# Altium PCB PlacaBase_agus.PcbDoc (part 1 of 2)
Units mm, origin at the board's own origin, x right, y up, seen from the top; angles counter-clockwise.
Board outline 97 x 84 mm, 2 copper layers (Top Layer, Bottom Layer); 60 components, 90 nets, 320 pads, 136 vias.
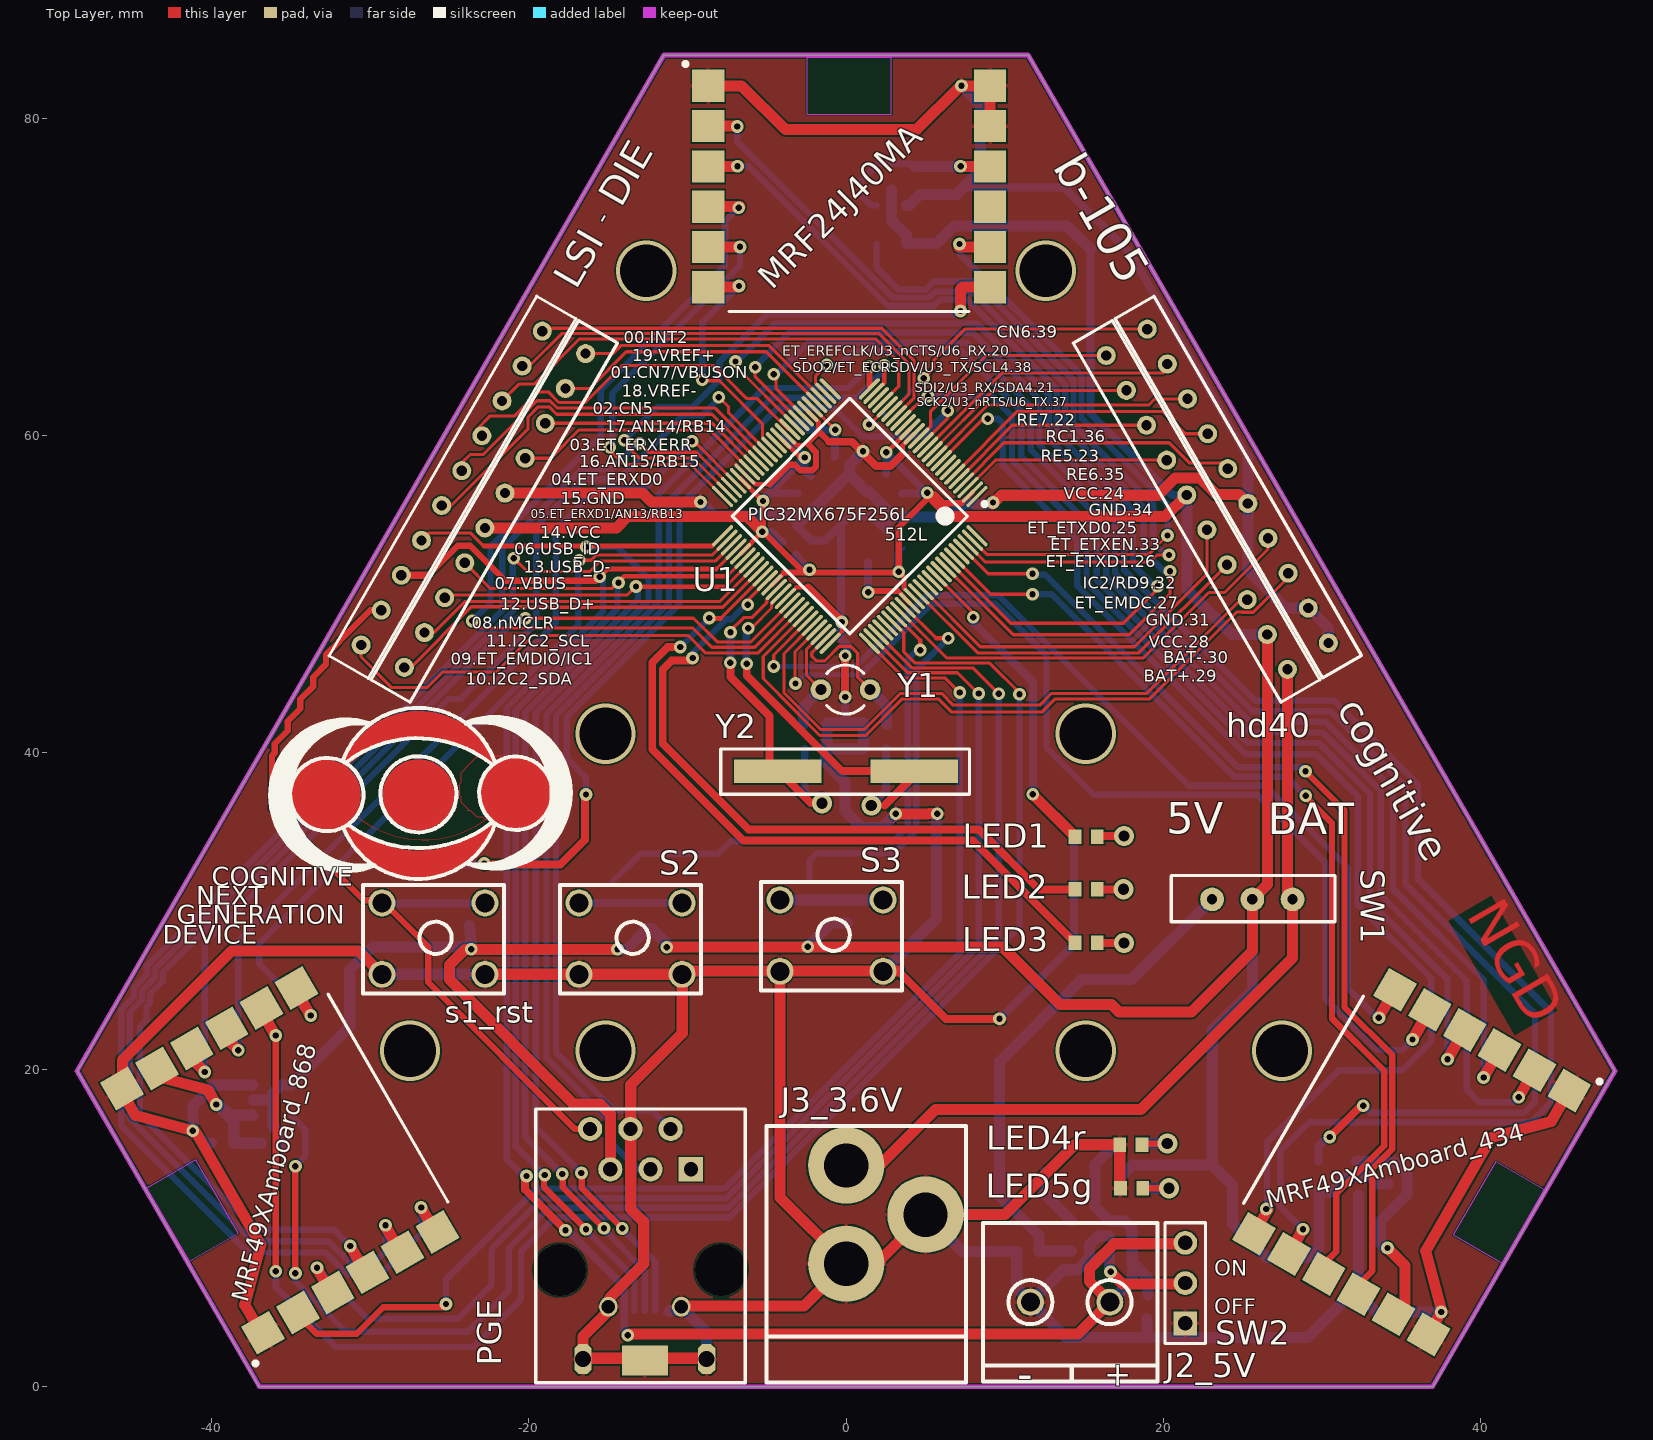
[diagram p0: Top Layer view]
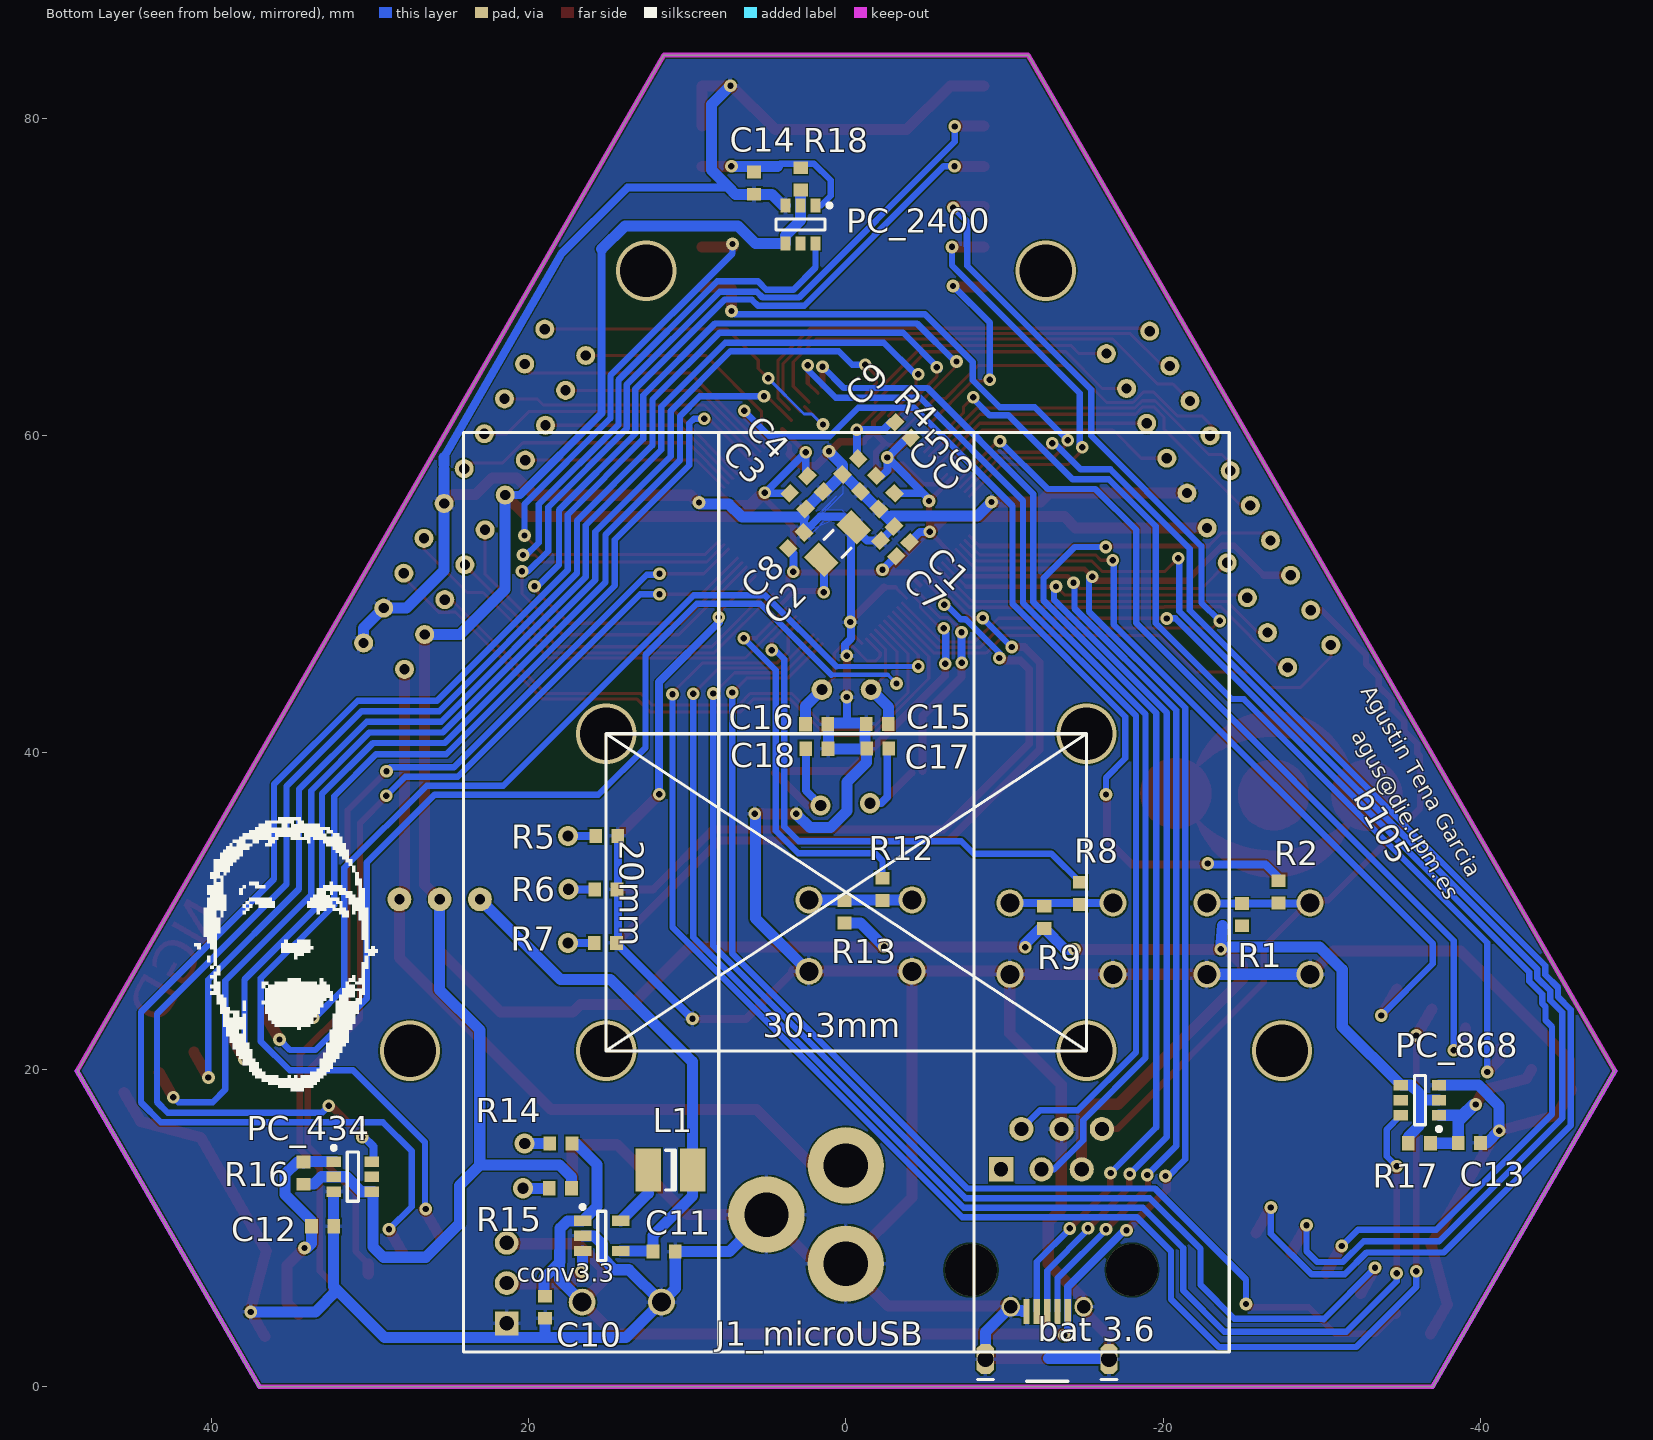
[diagram p1: Bottom Layer view, seen from below]

## Layer stack, top to bottom
Top Layer: signal copper 0.0356
Dielectric: dielectric 0.32, FR-4, Dk 4.8
Bottom Layer: signal copper 0.0356

## Board outline
-37,0 -48.5,19.92 -11.5,84 11.5,84 48.5,19.92 37,0

## Design rules (kind name [scope] priority, off if disabled: settings)
Clearance pic_clearance [InComponent('U1')] p1: gap=0.1
Clearance [All] p2: gap=0.1
Height [All] p1: minheight=0 maxheight=100 prefheight=12.7
PolygonConnect [All] p1: connectstyle=Relief reliefconductorwidth=0.254 reliefentries=4 polygonreliefangle="90 Angle"
RoomDefinition TRANS_2400 [InComponentClass('TRANS_2400')] p1 off: confinementstyle=ConfineIn formatcopy=TRUE lockcomponents=FALSE outline -169.76,-158.09 -118.96,-158.09 -118.96,-132.69 -169.76,-132.69
RoomDefinition TRANS_868 [InComponentClass('TRANS_868')] p2 off: confinementstyle=ConfineIn formatcopy=TRUE lockcomponents=FALSE outline -169.76,-158.09 -118.96,-158.09 -118.96,-132.69 -169.76,-132.69
RoomDefinition TRANS_434 [InComponentClass('TRANS_434')] p3 off: confinementstyle=ConfineIn formatcopy=TRUE lockcomponents=FALSE outline -169.76,-158.09 -118.96,-158.09 -118.96,-132.69 -169.76,-132.69
RoomDefinition "POWER SUPPLY" [InComponentClass('POWER SUPPLY')] p4 off: confinementstyle=ConfineIn formatcopy=TRUE lockcomponents=FALSE outline -169.76,-158.09 -118.96,-158.09 -118.96,-132.69 -169.76,-132.69
RoomDefinition PGE [InComponentClass('PGE')] p5 off: confinementstyle=ConfineIn formatcopy=TRUE lockcomponents=FALSE outline -169.76,-158.09 -118.96,-158.09 -118.96,-132.69 -169.76,-132.69
RoomDefinition OSCILLATORS [InComponentClass('OSCILLATORS')] p6 off: confinementstyle=ConfineIn formatcopy=TRUE lockcomponents=FALSE outline -169.76,-158.09 -118.96,-158.09 -118.96,-132.69 -169.76,-132.69
RoomDefinition MCU [InComponentClass('MCU')] p7 off: confinementstyle=ConfineIn formatcopy=TRUE lockcomponents=FALSE outline -169.76,-158.09 -118.96,-158.09 -118.96,-132.69 -169.76,-132.69
RoomDefinition HEADERS [InComponentClass('HEADERS')] p8 off: confinementstyle=ConfineIn formatcopy=TRUE lockcomponents=FALSE outline -169.76,-158.09 -118.96,-158.09 -118.96,-132.69 -169.76,-132.69
RoutingVias [All] p1: holewidth=0.4 width=0.8 viastyle="Through Hole" minholewidth=0 minwidth=0.6 maxholewidth=1 maxwidth=1.4
SilkscreenOverComponentPads [All] p1: minsilkscreentomaskgap=0.254
SolderMaskExpansion [All] p1: expansion=0.102
Width "VCC 5" [InNet('VCC5.0_POWER')] p1: maxlimit=2 minlimit=0.2 preferedwidth=1.2 minimp=50.000000 maximp=50.000000 favimp=50.000000
Width VCC [InNet('VCC')] p2: maxlimit=2 minlimit=0.2 preferedwidth=1.2
Width GND [InNet('GND')] p3: maxlimit=2 minlimit=0.2 preferedwidth=1.2 minimp=50.000000 maximp=50.000000 favimp=50.000000
Width [All] p4: maxlimit=2 minlimit=0.2 preferedwidth=0.4 minimp=50.000000 maximp=50.000000 favimp=50.000000
26 further rules are at their usual default settings.

## Classes and differential pairs
component class HEADERS: hd40
component class MCU: C1 C2 C3 C4 C5 C6 C7 C8 C9 LED1 LED2 LED3 R1 R2 R4 R5 R6 R7 R8 R9 R12 R13 rst s1_rst S2 S3 U1
component class OSCILLATORS: C15 C16 C17 C18 Y1 Y2
component class PGE: PGE
component class "POWER SUPPLY": "bat 3.6" C10 C11 conv3.3 J1_microUSB J2_5V J3_3.6V L1 LED4r LED5g R14 R15 SW1 SW2
component class TRANS_434: C12 MRF49XAmboard_434 PC_434 R16
component class TRANS_868: C13 MRF49XAmboard_868 PC_868 R17
component class TRANS_2400: C14 MRF24J40MA PC_2400 R18

## Components (designator, comment, footprint, x,y, rotation, side; value= is the part's Value field where it differs from the comment)
"bat 3.6" "BATTERY" "BATTERY HOLDER 3 cells" -0.02,31.19 r270 bottom locked
C1 "Cap" 1608[0603] -3.52,53.77 r45 bottom
C2 "C Pol" 1206[3216] 0.53,53.18 r135 bottom
C3 "Cap" 1608[0603] 3.05,55.87 r45 bottom
C4 "Cap" 1608[0603] 1.94,56.96 r45 bottom
C5 "Cap" 1608[0603] -1.41,56.97 r135 bottom
C6 "Cap" 1608[0603] -2.57,55.87 r135 bottom
C7 "Cap" 1608[0603] -2.67,52.88 r225 bottom
C8 "Cap" 1608[0603] 3.15,53.39 r315 bottom
C9 "Cap" 1608[0603] -0.28,58.05 r135 bottom
C10 "Cap" 1608[0603] 18.98,5.02 r90 bottom
C11 "Cap" 1608[0603] 11.47,8.53 r0 bottom
C12 "Cap" 1608[0603] 33.02,10.12 r0 bottom
C13 "Cap" 1608[0603] -39.32,15.38 r0 bottom
C14 "Cap" 1608[0603] 5.8,75.93 r90 bottom
C15 "Cap" 1608[0603] -1.97,41.81 r180 bottom
C16 "Cap" 1608[0603] 1.86,41.79 r0 bottom
C17 "Cap" 1608[0603] -2,40.26 r180 bottom
C18 "Cap" 1608[0603] 1.83,40.25 r0 bottom
conv3.3 "MCP1603T-330I/OS" TSOT-OS5_N 15.41,9.52 r180 bottom
hd40 "header_cognitiveNGD" HEADER_COGNITIVENGD -15.33,53.97 r0 top locked
J1_microUSB "J1_microUSB" "microUSB AB" -11.69,4.45 r90 bottom
J2_5V "terminal block" "CONECTOR ED-1631" 19.14,-0.16 r180 top
J3_3.6V "dc conn" "DC Connector" 5.02,10.86 r270 top (schematic designator J3_3.3V)
L1 "L" CD3225-1210 11.07,13.67 r180 bottom
LED1 "LED_SMD_Hg" 1608[0603] 15.15,34.7 r0 top
LED2 "LED_SMD_Hg" 1608[0603] 15.15,31.38 r0 top
LED3 "LED_SMD_Hg" 1608[0603] 15.15,28.01 r0 top
LED4r "LED_SMD_Hg" 1608[0603] 17.97,15.27 r180 top
LED5g "LED_SMD_Hg" 1608[0603] 18.01,12.52 r180 top
MRF24J40MA "MRF24J40MA" MRF24J40MA 0.2,83.84 r0 top
MRF49XAmboard_434 "MRF49XAmboard" MRF49XAMBOARD 42.72,10.11 r240 top
MRF49XAmboard_868 "MRF49XAmboard" MRF49XAMBOARD -42.76,10.22 r120 top
PC_434 "ADG701BRTZ" SOT23-6_L 31.11,13.25 r180 bottom
PC_868 "ADG701BRTZ" SOT23-6_L -36.2,18.08 r0 bottom
PC_2400 "ADG701BRTZ" SOT23-6_L 2.87,73.32 r270 bottom
PGE "RJ12" RJ12 -11.06,16.26 r270 top (schematic designator "Conector programador PGE")
R1 "R" 1608[0603] -24.98,29.78 r270 bottom
R2 "Res1" 1608[0603] -27.28,31.22 r90 bottom
R4 "R" 1608[0603] -3.59,60.35 r225 bottom
R5 "R" 1608[0603] 15.09,34.75 r0 bottom
R6 "R" 1608[0603] 15.14,31.37 r0 bottom
R7 "R" 1608[0603] 15.18,28 r0 bottom
R8 "R" 1608[0603] -14.77,31.12 r90 bottom
R9 "R" 1608[0603] -12.51,29.61 r270 bottom
R12 "R" 1608[0603] -2.3,31.37 r90 bottom
R13 "R" 1608[0603] 0.09,29.96 r270 bottom
R14 "Res1" 1608[0603] 17.98,15.34 r0 bottom
R15 "R" 1608[0603] 18.01,12.52 r180 bottom
R16 "resistor" 1608[0603] 34.22,13.48 r90 bottom
R17 "resistor" 1608[0603] -36.17,15.36 r180 bottom
R18 "resistor" 1608[0603] 2.86,76.19 r90 bottom
s1_rst "S1" Pulsador -29.27,30.52 r0 top
S2 "Pulsador" Pulsador -16.84,30.52 r0 top
S3 "Pulsador" Pulsador -4.16,30.71 r0 top
SW1 "switch vcc" SWITCH-2 23.09,30.75 r90 top
SW2 "sw_conv3.3" HDR1X3 21.4,4 r90 top
U1 "PIC32MX675F512L-80I/PT" TQFP-PT100_N 0.24,54.92 r225 top
Y1 "32,728K" BCY-W2/D3.1 -0.03,43.98 r270 top
Y2 "8M" 49_SMD_8Mhz 4,38.63 r180 top

## Footprints (in the part's own frame and the unit in brackets; to place one, negate y for a bottom-side part, rotate by r counter-clockwise, add the part's x,y. Pads: shape width x height; smd on the part's side, far side on the other; paste and mask are expansions set on the pad)
49_SMD_8Mhz [mm]
  rect 5.5x1.5 smd: 1(-0.3,-0.2) 2(8.3,-0.2)
  silkscreen extent -3.8,-1.6 11.9,1.25, body extent -2.33,-2.58 10.37,2.12, height 4.2
1206[3216] [mm] "Chip Capacitor, Body 3.2x1.6mm, IPC Medium Density"
  rect 1.3x1.8 smd: 1(-1.45,0) 2(1.45,0)
  silkscreen extent -0.4,-0.8 0.4,0.8, body extent -1.7,-0.9 1.7,0.9, height 1.35
1608[0603] [mm] "Chip Capacitor, Body 1.6x0.8mm, IPC High Density"
  rect 0.8x0.9 smd: 1(-0.7,0) 2(0.7,0)
  body extent -0.8,-0.4 0.8,0.4, height 0.3
"BATTERY HOLDER 3 cells" [mm]
  silkscreen extent -29,-24.15 29,24.15, body extent -28.81,-24.68 28.85,24.6, height 26.51
BCY-W2/D3.1 [mm] "Crystal, Thru-Hole; 2 Leads; Body 3.1 x 8.2 mm (Dia.xH)"
  round 1.3 hole 0.7: 1(0,1.55) 2(0,-1.55)
  silkscreen extent -1.55,-1.19 1.55,1.17, body extent -1.04,-1.39 1.06,1.41, height 8.2
CD3225-1210 [mm] "Chip Diode; Body 3.2 x 2.5 mm (LxW typ)"
  rect 1.6x2.7 smd: 1(-1.4,0) 2(1.4,0)
  silkscreen extent -0.3,-1.25 0.3,1.25, body extent -1.57,-1.28 1.63,1.22, height 2.45
"CONECTOR ED-1631" [mm]
  round 1.7 hole 1.2: 1(2.5,-5.5) 2(7.5,-5.5)
  silkscreen extent -0.5,-10.5 10.5,-0.5, body extent -0.02,-10.1 9.98,-2.1, height 10
"DC Connector" [mil] "Power Jack Connector"
  round 190 hole 110: 1(-122.01,-197.01) 2(122.01,-197.01) 3(0,0)
  silkscreen extent -220,-395 417,100, body extent -120,-375 424,0, height 433
HDR1X3 [mm] "Connector; Header; 3 Position"
  rect 1.5x1.5 hole 0.9: 1(0,0)
  round 1.5 hole 0.9: 2(2.54,0) 3(5.08,0)
  silkscreen extent -1.27,-1.27 6.35,1.27
HEADER_COGNITIVENGD [mm]
  round 1.2 / inner oval 2.5x1.2 / far side round 1.2 hole 0.65: 00(-3.826,12.617) 01(-5.096,10.417) 02(-6.366,8.217) 03(-7.636,6.018) 04(-8.906,3.818) 05(-10.176,1.618) 06(-11.446,-0.581) 07(-12.716,-2.781) 08(-13.986,-4.981) 09(-15.256,-7.181) 10(-12.527,-8.594) 11(-11.257,-6.395) 12(-9.987,-4.195) 13(-8.717,-1.995) 14(-7.447,0.204) 15(-6.177,2.404) 16(-4.907,4.604) 17(-3.637,6.804) 18(-2.367,9.003) 19(-1.097,11.203) 20(31.747,11.082) 21(33.017,8.882) 22(34.287,6.682) 23(35.557,4.483) 24(36.827,2.283) 25(38.097,0.083) 26(39.367,-2.116) 27(40.637,-4.316) 28(41.907,-6.516) 29(43.177,-8.716) 30(45.761,-7.051) 31(44.491,-4.851) 32(43.221,-2.651) 33(41.951,-0.452) 34(40.681,1.748) 35(39.411,3.948) 36(38.141,6.148) 37(36.871,8.347) 38(35.601,10.547) 39(34.331,12.747)
  silkscreen extent -17.26,-10.79 47.84,14.82, body extent -16.97,-10.43 47.5,14.46, height 7
"microUSB AB" [mm]
  rect 1.55x0.4 smd: 1(0.3,-2.3) 2(0.3,-1.65) 3(0.3,-1) 4(0.3,-0.35) 5(0.3,0.3)
  rect 1.9x2.9 smd far side: 6(-2.8,-1)
  oct 1.9x1.1 hole 1: 6(-2.7,-4.9) 6(-2.7,2.9)
  oval 1.25x1.15 hole 0.85: 6(0.6,-3.3) 6(0.6,1.3)
  silkscreen extent -4.1,-5.4 -4,3.4, body extent -5.46,-5.39 0.14,3.41, height 2.74
MRF24J40MA [mil] "SM Module; 12 Leads; Body 27.9x17.8x1.7mm (LxWxH), Microchip Recommended"
  rect 80x80 smd paste-159.45 mask+2: 1(-350,-70) 2(-350,-170) 3(-350,-270) 4(-350,-370) 5(-350,-470) 6(-350,-570) 7(350,-570) 8(350,-470) 9(350,-370) 10(350,-270) 11(350,-170) 12(350,-70)
  Top Layer keep-out region: -105,-140 105,-140 105,0 -105,0
  silkscreen extent -411,-630 298,-11, body extent -350,-630 350,470, height 114
MRF49XAMBOARD [mil] "SM Module; 12 Leads; Body 27.9x17.8x1.7mm (LxWxH), Microchip Recommended"
  rect 80x80 smd paste-159.45 mask+2: 1(-350,-70) 2(-350,-170) 3(-350,-270) 4(-350,-370) 5(-350,-470) 6(-350,-570) 7(350,-570) 8(350,-470) 9(350,-370) 10(350,-270) 11(350,-170) 12(350,-70)
  Top Layer keep-out region: -105,-140 105,-140 105,0 -105,0
  silkscreen extent -411,-630 298,-11, body extent -412,-630 407,627, height 2279
Pulsador [mm]
  round 1.7 hole 1.2: 1(0,0) 1(6.5,0) 2(0,-4.5) 2(6.5,-4.5)
  silkscreen extent -1.2,-5.7 7.7,1.14, body extent -1.24,-5.25 7.76,0.75, height 5
RJ12 [mil]
  rect 60x60 hole 35: 1(100,50)
  round 60 hole 35: 2(0,0) 3(100,-50) 4(0,-100) 5(100,-150) 6(0,-200)
  silkscreen extent -50,-335 630,185, body extent -60,-384 750,236, height 630
SOT23-6_L [mm]
  rect 0.9x0.65 smd: 1(-1.2,0.95) 2(-1.2,0) 3(-1.2,-0.95) 4(1.2,-0.95) 5(1.2,0) 6(1.2,0.95)
  silkscreen extent -1.33,-1.55 0.35,1.95, body extent -1.5,-1.55 1.5,1.55, height 1.45
SWITCH-2 [mm]
  round 1.5 hole 0.65: 1(0,0) 2(0,-2.54) 3(0,-5.08)
  silkscreen extent -1.41,-7.75 1.5,2.57, body extent -3.75,-8.79 3.75,3.71, height 14.1
TQFP-PT100_N [mm] "Thin QFP, 100-Leads, Body 12x12mm, Pitch 0.4mm, IPC Medium Density"
  oval 1.8x0.24 smd: 1(-6.55,4.8) 2(-6.55,4.4) 3(-6.55,4) 4(-6.55,3.6) 5(-6.55,3.2) 6(-6.55,2.8) 7(-6.55,2.4) 8(-6.55,2) 9(-6.55,1.6) 10(-6.55,1.2) 11(-6.55,0.8) 12(-6.55,0.4) 13(-6.55,0) 14(-6.55,-0.4) 15(-6.55,-0.8) 16(-6.55,-1.2) 17(-6.55,-1.6) 18(-6.55,-2) 19(-6.55,-2.4) 20(-6.55,-2.8) 21(-6.55,-3.2) 22(-6.55,-3.6) 23(-6.55,-4) 24(-6.55,-4.4) 25(-6.55,-4.8) 51(6.55,-4.8) 52(6.55,-4.4) 53(6.55,-4) 54(6.55,-3.6) 55(6.55,-3.2) 56(6.55,-2.8) 57(6.55,-2.4) 58(6.55,-2) 59(6.55,-1.6) 60(6.55,-1.2) 61(6.55,-0.8) 62(6.55,-0.4) 63(6.55,0) 64(6.55,0.4) 65(6.55,0.8) 66(6.55,1.2) 67(6.55,1.6) 68(6.55,2) 69(6.55,2.4) 70(6.55,2.8) 71(6.55,3.2) 72(6.55,3.6) 73(6.55,4) 74(6.55,4.4) 75(6.55,4.8)
  oval 0.24x1.8 smd: 26(-4.8,-6.55) 27(-4.4,-6.55) 28(-4,-6.55) 29(-3.6,-6.55) 30(-3.2,-6.55) 31(-2.8,-6.55) 32(-2.4,-6.55) 33(-2,-6.55) 34(-1.6,-6.55) 35(-1.2,-6.55) 36(-0.8,-6.55) 37(-0.4,-6.55) 38(0,-6.55) 39(0.4,-6.55) 40(0.8,-6.55) 41(1.2,-6.55) 42(1.6,-6.55) 43(2,-6.55) 44(2.4,-6.55) 45(2.8,-6.55) 46(3.2,-6.55) 47(3.6,-6.55) 48(4,-6.55) 49(4.4,-6.55) 50(4.8,-6.55) 76(4.8,6.55) 77(4.4,6.55) 78(4,6.55) 79(3.6,6.55) 80(3.2,6.55) 81(2.8,6.55) 82(2.4,6.55) 83(2,6.55) 84(1.6,6.55) 85(1.2,6.55) 86(0.8,6.55) 87(0.4,6.55) 88(0,6.55) 89(-0.4,6.55) 90(-0.8,6.55) 91(-1.2,6.55) 92(-1.6,6.55) 93(-2,6.55) 94(-2.4,6.55) 95(-2.8,6.55) 96(-3.2,6.55) 97(-3.6,6.55) 98(-4,6.55) 99(-4.4,6.55) 100(-4.8,6.55)
  silkscreen extent -6.67,-5.25 5.25,5.59, body extent -6,-6 6,6, height 1.2
TSOT-OS5_N [mm] "SOT23, 5-Leads, Body 2.9x1.6mm, Pitch 0.95mm, Lead Span 2.8mm, IPC Medium Density"
  rect 1.1x0.65 smd: 1(-1.2,0.95) 2(-1.2,0) 3(-1.2,-0.95) 4(1.2,-0.95) 5(1.2,0.95)
  silkscreen extent -1.33,-1.55 0.25,1.95, body extent -1.54,-1.46 1.66,1.44, height 0.94

## Part data
C1 C3 C4 C5 C6 C7 C8 C9 C10 C11 C12 C13 C14 C15 C16 C17 C18: "Capacitor"
C2: "Polarized Capacitor (Surface Mount)"
conv3.3: "500mA Synchronous Buck Regulator, 3.3V, 2.0 MHz, 5-Pin TSOT, Industrial Temperature, Tape and Reel"
J1_microUSB: library part "USB micro AB"
J2_5V: library part "Conector ED-1631", "Terminal Block 2 vías, 5mm"
J3_3.6V: library part "DC Connector"
L1: "Inductor"
LED1 LED2 LED3 LED4r LED5g: "Typical BLUE SiC LED"
MRF24J40MA MRF49XAmboard_434 MRF49XAmboard_868: "Microchip RF radio"
PGE: "Conector RJ-12"
R1 R2 R4 R5 R6 R7 R8 R9 R12 R13 R14 R15: "Resistor"
R16 R17 R18: library part RES, "Resistor"
s1_rst: library part Pulsador, "Switch"
S2 S3: "Switch"
SW1 SW2: library part SWITCH-2, "Header, 3-Pin"
U1: "High Performance 80 MHz MIPS-Based 32-Bit Flash Microcontroller with USB and Ethernet, 512KB Program Memory, 100-pin TQFP, Industrial Temperature"
Y1 Y2: library part XTAL_2PINS, "Crystal Oscillator"

## Via types
v1: diameter 0.8, hole 0.4, Top Layer to Bottom Layer, 119 vias
v2: diameter 3.8, hole 3.3, Top Layer to Bottom Layer, 8 vias
v3: diameter 1.27, hole 0.711, Top Layer to Bottom Layer, 7 vias
v4: diameter 3.302, hole 3.302, Top Layer to Bottom Layer, 2 vias

## Nets (pads, with @x,y where several pads share a name; then routed paths per layer and width w, separated by ;. In a path a pad name is that pad's centre, name@x,y a point inside that pad or via, vN(x,y) a via of type N, cw(c..) or ccw(c..) an arc to the next point about the centre after c; other vN are vias at no path point)
GND: C1.2 C2.2 C3.1 C4.1 C5.1 C6.1 C7.1 C8.1 C9.1 C10.1 C11.1 C12.1 C13.1 C14.1 C15.1 C16.1 C17.1 C18.1 conv3.3.2 hd40.15 hd40.30 hd40.31 hd40.34 J1_microUSB.5 J1_microUSB.6 J2_5V.2 J3_3.6V.2 J3_3.6V.3 LED4r.2 LED5g.2 MRF24J40MA.1 MRF24J40MA.11 MRF24J40MA.12 MRF49XAmboard_434.1 MRF49XAmboard_434.12 MRF49XAmboard_868.1 MRF49XAmboard_868.12 PC_434.3 PC_868.3 PC_2400.3 PGE.4 R5.1 R6.1 R7.1 s1_rst.2 S2.2 S3.2 SW2.1 U1.15 U1.31 U1.36 U1.45 U1.65 U1.75 | length 480.2
  Top Layer w0.2: U1.45@-6.371,57.572 -5.73,56.93 ; U1.65@-3.826,49.723 -3.119,50.43 ; U1.36@-3.826,60.117 U1.36@-3.237,59.529 ; U1.75@-0.997,46.894 -0.23,47.662
  Top Layer w0.3: -5.73,56.93 -4.81,56.93 ; U1.36@-3.237,59.529 -3.079,59.37 -2.77,59.37 -2.45,59.529 ; -3.119,50.43 -2.39,50.43 ; U1.31@-2.412,61.531 -1.74,60.86 -1.74,60.29 ; -0.23,47.662 v1@-0.23,48.27 ; 3.56,58.83 3.56,59.371 U1.15@4.306,60.117
  Top Layer w0.4: -4.81,56.93 -3.579,58.161 -3.241,58.161 -2.89,57.81 -2.11,57.81 -1.89,58.03 -1.89,58.96 -2.45,59.52 -1.74,60.23 ; -1.74,60.29 -1.06,59.61
  Top Layer w0.5: -2.39,50.43 v1@-0.23,48.27 ; -1.06,59.61 0.38,59.61 1.9,58.09 2.82,58.09 3.56,58.83 ; v1(-0.05,43.51) v1(-0.05,46.11) ; 3.3,26.22 6.313,23.207 v1(9.687,23.207)
  Top Layer w0.7: MRF49XAmboard_868.12@-45.63,18.843 -45.63,20.61 -38.75,27.49 -30.74,27.49 s1_rst.2@-29.27,26.02 ; MRF49XAmboard_868.12@-45.621,18.827 -45.662,18.803 -45.76,18.747 -44.826,17.129 v1(-41.2,16.157) -41.053,16.118 -36.913,8.947 -37.924,5.174 -36.873,3.354 MRF49XAmboard_868.1@-36.87,3.349 ; s1_rst.2@-22.77,26.02 S2.2@-16.84,26.02 S2.2@-10.34,26.02 -10.33,26.02 -10.33,22.3 -13.58,19.05 -13.58,11.23 -12.76,10.41 -12.76,7.76 -14.88,5.64 -14.88,4.97 -14.89,4.96 -14.89,4.88 -16.59,3.18 -16.59,1.8 J1_microUSB.6@-8.79,1.8 ; hd40.15@-21.507,56.374 -12.844,56.374 -12.28,55.81 v1(-9.18,55.81) ; S2.2@-10.59,26.22 3.3,26.22 ; J1_microUSB.6@-10.39,5.1 -2.645,5.1 J3_3.6V.2@0.016,7.761 -4.16,11.937 S3.2@-4.16,26.21 ; MRF24J40MA.1@-8.69,82.062 -6.582,82.062 -3.82,79.3 4.46,79.3 7.222,82.062 MRF24J40MA.12@9.09,82.062 MRF24J40MA.11@9.09,79.522 ; J3_3.6V.2@1.921,7.761 J3_3.6V.3@5.02,10.86 10.04,10.86 14.45,15.27 LED4r.2@17.27,15.27 17.27,12.56 LED5g.2@17.31,12.52 ; v1(3.14,36.14) 5.15,36.14 ; 5.23,36.15 v1(5.76,36.15) ; v1@9.25,55.69 9.8,56.24 19.68,56.24 20.76,57.32 22.32,57.32 23.36,56.28 24.789,56.28 hd40.34@25.351,55.718 ; MRF49XAmboard_434.12@36.649,3.168 36.728,3.304 37.549,4.726 37.583,4.785 36.572,8.558 40.712,15.729 44.485,16.74 MRF49XAmboard_434.1@45.539,18.566
  Bottom Layer w0.5: C1.2@-2.85,54.05 C7.1@-2.175,53.375 -1.326,53.375 C2.2@-0.495,54.205 ; C2.2@-0.081,54.62 C2.2@-0.495,54.205 ; -0.07,41.86 -0.05,41.88 v1(-0.05,43.51) ; v1@0.05,46.21 0.05,46.82 -0.32,47.19 -0.32,54.03 C2.2@-0.495,54.205 ; C9.1@0.165,57.555 C9.1@0.215,57.555 C9.1@0.375,57.555 ; 0.209,54.91 1.63,54.91 C8.1@2.655,53.885 2.655,54.86 C3.1@2.655,55.275 ; 7.38,75.64 13.79,75.64 17.95,71.48 25.333,58.692 ; v1(9.687,23.207) R7.1@14.48,28 ; R7.1@14.39,28.09 R5.1@14.39,34.75
  Bottom Layer w0.7: C13.1@-40.02,15.38 -40.423,15.38 v1(-41.2,16.157) -41.2,17.72 -39.89,19.03 PC_868.3@-37.4,19.03 ; s1_rst.2@-29.27,26.02 s1_rst.2@-22.77,26.02 ; J1_microUSB.6@-16.59,1.8 -12.79,1.8 ; -11.15,4.75 -11.08,4.82 -10.16,4.82 -8.79,3.45 J1_microUSB.6@-8.79,1.75 ; v1(-9.18,55.81) -8.3,54.93 -2.87,54.93 ; C1.2@-3.025,54.265 -3.025,54.425 C6.1@-2.075,55.375 -2.015,55.375 C5.1@-0.915,56.475 C9.1@0.165,57.555 ; C17.1@-1.3,40.26 -1.3,39.39 -0.07,38.16 -0.07,36.31 0.97,35.27 2.27,35.27 v1(3.14,36.14) ; J3_3.6V.2@0.016,7.761 J3_3.6V.2@1.921,7.761 ; C16.1@1.06,41.86 -0.07,41.86 -1.2,41.86 -1.2,40.22 1.1,40.22 1.1,41.86 C16.1@1.08,41.88 ; v1(1.07,59.01) 0.215,58.155 C9.1@0.215,57.555 1.305,56.465 C4.1@1.445,56.465 1.465,56.465 C3.1@2.555,55.375 C3.1@2.655,55.275 ; C3.1@2.655,54.86 6.566,54.86 7.396,55.69 v1@9.25,55.69 ; S3.2@2.84,26.68 5.7,29.54 v1@5.7,36.15 ; PC_2400.3@3.82,74.52 3.97,74.52 4.67,75.22 6.96,75.22 7.38,75.64 8.49,76.75 8.49,80.87 v1(7.29,82.07) ; J3_3.6V.3@5.02,10.86 7.35,8.53 C11.1@10.77,8.53 10.77,6.21 J2_5V.2@11.64,5.34 ; conv3.3.2@16.61,9.52 15.91,9.52 15.37,8.98 15.37,8.15 14.6,7.38 13.68,7.38 J2_5V.2@11.64,5.34 ; C10.1@18.98,4.32 18.98,3.18 18.91,3.11 ; 25.351,57.901 hd40.34@25.351,55.718 25.351,51.489 27.721,49.119 hd40.31@29.161,49.119 30.431,47.849 hd40.30@30.431,46.919 ; 25.369,58.17 25.369,58.63 ; PC_434.3@32.32,12.09 32.32,6.315 32.098,6.092 ; v1(37.556,4.722) 33.468,4.722 32.098,6.092 ; J2_5V.2@11.64,5.34 13.87,3.11 18.91,3.11 ; 18.91,3.11 29.115,3.11 32.098,6.092
  other v1: -0.26,48.24 9.27,55.78
NetC2_1: C2.1 U1.85 | length 5
  Top Layer w0.2: v1(1.4,50.11) v1@1.49,50.2
  Top Layer w0.3: 3.323,50.14 U1.85@4.023,49.44
  Top Layer w0.4: v1@1.49,50.2 3.24,50.2
  Bottom Layer w0.2: C2.1@1.4,51.999 C2.1@1.555,52.155
  Bottom Layer w0.5: v1(1.4,50.11) C2.1@1.4,51.999
NetC9_2: C9.2 R4.1 U1.30 | length 6.5
  Top Layer w0.2: U1.30@-2.129,61.814 v1(-0.685,60.37)
  Bottom Layer w0.2: C9.2@-0.775,58.545 C9.2@-0.685,58.635
  Bottom Layer w0.5: R4.1@-3.095,60.845 -2.845,60.845 -2.37,60.37 v1(-0.685,60.37) C9.2@-0.685,58.635
NetC11_2: C11.2 conv3.3.4 L1.2 SW1.1 | length 32.7
  Bottom Layer w0.4: C11.2@12.17,8.53 C11.2@12.21,8.57
  Bottom Layer w0.7: C11.2@12.17,8.53 12.17,9.53 9.67,12.03 L1.2@9.67,13.67 9.67,20.5 14.85,25.68 18.02,25.68 SW1.1@23.09,30.75 ; C11.2@12.21,8.57 conv3.3.4@14.21,8.57
NetC12_2: C12.2 MRF49XAmboard_434.11 PC_434.1 R16.2 | length 14.1
  Top Layer w0.7: v1(34.16,8.75) 35.25,7.66 35.25,5.285 MRF49XAmboard_434.11@34.536,4.57
  Bottom Layer w0.7: PC_434.1@32.21,14.2 PC_434.1@32.31,14.2 34.14,14.2 R16.2@34.22,14.12 ; v1(34.16,8.75) 34.01,8.75 33.72,9.04 C12.2@33.72,10.12 33.72,10.47 35.38,12.13 35.38,13.41 34.61,14.18 R16.2@34.22,14.18
NetC13_2: C13.2 MRF49XAmboard_868.11 PC_868.1 R17.2 | length 11.7
  Top Layer w0.7: MRF49XAmboard_868.11@-43.251,20.017 -42.915,19.435 -40.245,18.719 v1(-39.72,17.81)
  Bottom Layer w0.7: PC_868.1@-37.4,17.13 -38.86,17.13 -39.54,17.81 v1(-39.72,17.81) -38.62,16.71 C13.2@-38.62,15.38 -38.6,15.36 R17.2@-36.87,15.36
NetC14_2: C14.2 MRF24J40MA.10 PC_2400.1 R18.2 | length 10.8
  Top Layer w0.7: v1(7.228,76.982) MRF24J40MA.10@9.09,76.982
  Bottom Layer w0.4: PC_2400.1@1.92,74.52 1.57,74.52 0.97,75.12 0.97,76.1 2.02,77.15 4.164,77.15 4.332,76.982
  Bottom Layer w0.7: 4.332,76.982 v1(7.228,76.982)
NetC15_2: C15.2 U1.73 Y1.2 | length 6.9
  Top Layer w0.2: Y1.2@-1.58,43.98 -2.49,44.89 -2.49,46.533 U1.73@-1.563,47.46
  Bottom Layer w0.7: C15.2@-2.67,41.81 -2.67,42.89 Y1.2@-1.58,43.98
NetC16_2: C16.2 U1.74 Y1.1 | length 10.3
  Top Layer w0.2: U1.74@-1.28,47.177 -2.16,46.297 -2.16,46.09 -1.841,45.771 -1.359,45.771 -0.42,46.71 0.3,46.71 0.74,46.27 0.74,44.76 Y1.1@1.52,43.98
  Bottom Layer w0.7: Y1.1@1.52,43.98 2.56,42.94 C16.2@2.56,41.79
NetC17_2: C17.2 U1.63 Y2.2 | length 21.5
  Top Layer w0.2: v1(-7.29,47.59) -7.29,47.69 -6.46,48.52 -5.94,48.52 -4.997,49.463 -4.997,49.683 U1.63@-4.392,50.288 ; -2.21,36.81 v3(-1.52,36.81)
  Top Layer w0.5: v1@-7.29,45.3 -7.29,44.78 -4.83,42.32 Y2.2@-4.83,38.83 ; Y2.2@-4.12,38.72 -2.21,36.81
  Bottom Layer w0.2: v1(-7.3,45.68) v1@-7.29,45.69 ; v1(-7.29,47.59) v1@-7.29,47.87 ; -2.21,36.81 v3(-1.52,36.81)
  Bottom Layer w0.5: v1@-7.29,45.69 v1(-7.29,47.59) ; C17.2@-2.6,40.22 -2.6,37.2 -2.21,36.81
NetC18_2: C18.2 U1.64 Y2.1 | length 26.3
  Top Layer w0.2: v1@-5.89,47.93 -4.697,49.123 -4.697,49.417 U1.64@-4.109,50.006 ; v3(1.6,36.67) 2.43,36.67
  Top Layer w0.5: v1(-6.26,45.6) -6.26,44.86 -0.23,38.83 Y2.1@3.77,38.83 ; 2.43,36.67 Y2.1@4.48,38.72
  Bottom Layer w0.2: v1@-6.29,47.53 v1@-5.89,47.93 ; v3(1.6,36.67) 2.12,37.19
  Bottom Layer w0.5: v1@-6.29,45.6 v1@-6.29,47.53 ; 2.12,37.19 2.53,37.6 C18.2@2.53,40.25
  other v1: -6.17,47.84
Netconv3.3_3: conv3.3.3 SW2.2 | length 6.6
  Top Layer w0.7: v1(16.69,7.25) 17.45,6.49 21.41,6.49 SW2.2@21.58,6.32
  Bottom Layer w0.7: conv3.3.3@16.61,8.57 16.61,7.33 v1(16.69,7.25)
Netconv3.3_5: conv3.3.5 L1.1 | length 3.9
  Bottom Layer w0.4: 12.47,12.21 L1.1@12.47,13.67
  Bottom Layer w0.7: 12.47,12.21 conv3.3.5@14.21,10.47
Nethd40_00: hd40.00 U1.19 | length 27.7
  Top Layer w0.2: hd40.00@-19.156,66.587 -18.973,66.77 2.26,66.77 4.28,64.75 4.28,62.354 U1.19@3.576,61.65
Nethd40_01: hd40.01 U1.20 | length 29.5
  Top Layer w0.2: hd40.01@-20.426,64.387 -19.973,64.387 -17.91,66.45 2.07,66.45 3.97,64.55 3.97,62.61 3.89,62.53 U1.20@2.892,61.531
Nethd40_02: hd40.02 U1.22 | length 30.2
  Top Layer w0.2: hd40.02@-21.696,62.187 -20.634,63.25 -19.66,63.25 -16.82,66.09 1.88,66.09 3.33,64.64 3.33,64.31 3.33,63.101 U1.22@2.326,62.097
Nethd40_03: hd40.03 U1.35 | length 23.8
  Top Layer w0.2: hd40.03@-23.276,60.404 -22.44,61.24 -20.9,61.24 -19.38,62.76 -18.78,62.76 -18.11,62.09 -16.45,62.09 -14.119,64.421 -8.341,64.421 -7.57,63.65 -6.25,62.33 -5.586,62.33 -3.656,60.4 U1.35@-3.543,60.4 ; hd40.03@-22.966,59.988 hd40.03@-22.966,60.214
Nethd40_04: hd40.04 U1.41 | length 22.1
  Top Layer w0.2: hd40.04@-24.236,58.284 -23.71,58.81 -22.88,58.81 -19.49,62.2 -18.68,62.2 -18.23,61.75 -8.287,61.75 U1.41@-5.24,58.703
Nethd40_05: hd40.05 U1.42 | length 24.6
  Top Layer w0.2: hd40.05@-25.506,55.588 -24.892,55.588 ; hd40.05@-25.017,55.463 -24.892,55.588 ; U1.42@-5.523,58.42 -8.453,61.35 -18.26,61.35 -18.72,61.81 -19.41,61.81 -20.05,61.17 -20.05,60.43 -24.892,55.588
Nethd40_06: hd40.06 J1_microUSB.4 U1.51 | length 76.4
  Top Layer w0.2: hd40.06@-26.776,53.389 -26.315,53.85 -23.66,53.85 -22.84,53.03 ; -8.438,53.03 U1.51@-7.786,53.683
  Top Layer w0.3: -22.84,53.03 -8.438,53.03
  Top Layer w0.4: v1@-16.67,13.1 -16.67,12.54 v1(-14.12,9.99)
  Bottom Layer w0.4: v1(-16.69,13.49) -19.56,16.36 -19.56,42.5 -12.46,49.6 -12.46,51.01 -14.42,52.97 v1(-16.38,52.97) ; v1@-14.13,9.98 -12.04,7.89 J1_microUSB.4@-12.04,4.8
Nethd40_08: hd40.08 PGE.6 R1.1 R2.1 s1_rst.1 | length 52
  Top Layer w0.4: hd40.08@-29.316,48.989 -30.011,48.989 -31.993,47.007 -31.993,46.974 -32.801,46.166 -32.801,45.575 -33.608,44.767 -33.608,44.176 -34.416,43.369 -34.416,42.778 -35.223,41.97 -35.223,41.379 -36.031,40.571 -36.031,39.98 -36.21,39.801 -36.21,36.48 -30.41,30.68 -29.29,30.68 -26.36,27.75 -26.36,25.52 -17.1,16.26 PGE.6@-16.14,16.26 PGE.6@-16.12,16.26
  Bottom Layer w0.5: s1_rst.1@-29.37,30.49 s1_rst.1@-22.87,30.49
Nethd40_09: hd40.09 U1.68 | length 32.1
  Top Layer w0.2: hd40.09@-30.586,46.789 -30.586,46.036 -28.65,44.1 -26.43,44.1 -25.44,45.09 -22.05,45.09 -19.75,47.39 -9.95,47.39 -8.84,46.28 -5.572,46.28 U1.68@-2.977,48.874
Nethd40_10: hd40.10 U1.59 | length 24.3
  Top Layer w0.2: hd40.10@-27.37,45.46 -23.63,49.2 -20.081,49.2 -20.051,49.17 -7.773,49.17 U1.59@-5.523,51.42
Nethd40_11: hd40.11 U1.58 | length 22.5
  Top Layer w0.2: hd40.11@-26.587,47.575 -26.015,47.575 -24.06,49.53 -7.978,49.53 U1.58@-5.806,51.703
Nethd40_12: hd40.12 J1_microUSB.3 U1.57 | length 72.1
  Top Layer w0.2: hd40.12@-25.317,49.775 -25.143,49.95 -13.78,49.95 v1@-13.26,50.47 ; -7.604,50.47 U1.57@-6.089,51.986
  Top Layer w0.3: v1@-13.26,50.47 -7.604,50.47
  Top Layer w0.4: v1@-17.86,13.05 -17.86,12.59 v1(-15.27,10)
  Bottom Layer w0.2: v1@-15.32,9.96 -15.32,10.27 -15.27,10.219 v1(-15.27,10)
  Bottom Layer w0.4: v1(-17.9,13.42) -20.24,15.76 -20.24,42.53 -13.121,49.649 -13.121,50.351 v1(-13.25,50.48) ; v1@-15.32,9.96 -12.69,7.33 J1_microUSB.3@-12.69,4.8
Nethd40_13: hd40.13 J1_microUSB.2 U1.56 | length 70.7
  Top Layer w0.2: hd40.13@-24.047,51.975 -22.423,50.35 -14.77,50.35 v1@-14.575,50.545 ; -7.51,51.13 U1.56@-6.371,52.268
  Top Layer w0.3: v1@-14.575,50.545 -13.99,51.13 -7.51,51.13
  Top Layer w0.4: v1@-19.05,13 -19.05,12.58 v1(-16.4,9.93)
  Bottom Layer w0.2: v1@-14.41,50.66 v1(-14.35,50.72)
  Bottom Layer w0.4: v1(-19,13.36) -20.83,15.19 -20.83,42.67 -14.41,49.09 v1@-14.41,50.66 ; v1@-16.565,10.065 -13.34,6.84 J1_microUSB.2@-13.34,4.8
Nethd40_16: hd40.16 U1.44 | length 15.2
  Top Layer w0.2: hd40.16@-20.237,58.574 -18.626,58.574 -16.85,60.35 -8.584,60.35 -8.443,60.209 U1.44@-6.627,58.393
Nethd40_17: hd40.17 U1.43 | length 14.3
  Top Layer w0.2: hd40.17@-18.967,60.774 -8.442,60.774 U1.43@-5.806,58.137
Nethd40_18: hd40.18 U1.29 | length 18.1
  Top Layer w0.2: hd40.18@-17.697,62.973 -16.167,62.973 -13.85,65.29 -5.039,65.29 U1.29@-1.846,62.097
Nethd40_19: hd40.19 U1.28 | length 16.4
  Top Layer w0.2: hd40.19@-16.427,65.173 -14.697,65.173 -14.18,65.69 -4.873,65.69 U1.28@-1.563,62.38
Nethd40_20: hd40.20 U1.14 | length 14.6
  Top Layer w0.2: U1.14@4.589,59.834 5.35,60.596 5.335,61.545 8.842,65.052 hd40.20@16.417,65.052
Nethd40_21: hd40.21 U1.11 | length 13.9
  Top Layer w0.2: U1.11@5.427,58.997 9.282,62.852 hd40.21@17.687,62.852
Nethd40_22: hd40.22 U1.5 | length 13.2
  Top Layer w0.2: U1.5@7.134,57.289 10.498,60.652 hd40.22@18.957,60.652
Nethd40_23: hd40.23 U1.3 | length 13.2
  Top Layer w0.2: U1.3@7.7,56.723 9.43,58.453 hd40.23@20.227,58.453
Nethd40_25: hd40.25 U1.88 | length 24.1
  Top Layer w0.2: U1.88@4.872,50.288 8.48,46.68 18.2,46.68 22.767,51.247 hd40.25@22.767,54.053
Nethd40_26: hd40.26 U1.87 | length 23.3
  Top Layer w0.2: U1.87@4.589,50.006 8.304,46.29 18.474,46.29 hd40.26@24.037,51.854
Nethd40_27: hd40.27 U1.71 | length 39.2
  Top Layer w0.2: U1.71@-2.129,48.026 -3.91,46.245 -3.91,43.77 -1.61,41.47 1.17,41.47 3.44,43.74 6.03,43.74 6.77,43 12.22,43 12.96,43.74 18.97,43.74 24.884,49.654 hd40.27@25.307,49.654
Nethd40_29: hd40.29 J3_3.6V.1 SW1.3 | length 51.4
  Top Layer w0.7: J3_3.6V.1@2.109,13.959 5.64,17.49 8.18,17.49 ; 8.23,17.49 18.61,17.49 28.17,27.05 SW1.3@28.17,30.75 ; SW1.3@27.847,31.073 hd40.29@27.847,45.254
  Bottom Layer w0.4: J3_3.6V.1@0.016,13.959 J3_3.6V.1@2.109,13.959
Nethd40_32: hd40.32 U1.69 | length 44.7
  Top Layer w0.2: U1.69@-2.694,48.591 -5.22,46.066 -5.22,44.68 -4.21,43.67 -4.21,43.646 -1.644,41.08 1.24,41.08 3.55,43.39 5.82,43.39 6.64,42.57 12.39,42.57 13.21,43.39 19.17,43.39 24.65,48.87 24.96,48.87 24.976,48.854 25.694,48.854 27.891,51.051 hd40.32@27.891,51.319
Nethd40_33: hd40.33 U1.83 | length 27.9
  Top Layer w0.2: U1.83@3.457,48.874 6.362,45.97 18.76,45.97 22.89,50.1 23.88,50.1 26.621,52.841 hd40.33@26.621,53.518
Nethd40_35: hd40.35 U1.4 | length 18.4
  Top Layer w0.2: U1.4@7.417,57.006 9.961,59.55 20.38,59.55 21.65,58.28 23.719,58.28 hd40.35@24.081,57.918
Nethd40_36: hd40.36 U1.6 | length 18.2
  Top Layer w0.2: U1.6@6.851,57.572 10.81,61.53 19.98,61.53 21.392,60.118 hd40.36@22.811,60.118
Nethd40_37: hd40.37 U1.10 | length 17.3
  Top Layer w0.2: U1.10@5.72,58.703 8.947,61.93 19.104,61.93 19.491,62.317 hd40.37@21.541,62.317
Nethd40_38: hd40.38 U1.12 | length 17.5
  Top Layer w0.2: U1.12@5.154,59.269 9.826,63.94 19.98,63.94 20.271,64.231 hd40.38@20.271,64.517
Nethd40_39: hd40.39 U1.21 | length 22.3
  Top Layer w0.2: v1@1.435,60.64 U1.21@2.609,61.814 ; v1(4.9,63.61) 4.91,63.61 5.53,64.23 5.53,64.75 7.497,66.717 hd40.39@19.001,66.717
  Bottom Layer w0.2: v1@1.45,60.64 2.17,61.36 2.65,61.36 v1(4.9,63.61) v1@5.05,63.76 ; v1@1.45,60.64 v1(1.45,60.7)
NetLED1_1: LED1.1 U1.91 | length 20.1
  Top Layer w0.2: U1.91@5.72,51.137 8.02,48.837 v1(8.02,48.55)
  Top Layer w0.7: v1(11.78,37.37) LED1.1@14.45,34.7
  Bottom Layer w0.2: v1@8.02,48.22 v1(8.02,48.55)
  Bottom Layer w0.5: v1@8.02,48.22 11.79,44.45 11.79,43.76 v1@11.79,37.38
  Bottom Layer w0.7: v1(11.78,37.37) v1@11.79,37.38
NetLED1_2: LED1.2 R5.2 | length 3.5
  Top Layer w0.4: LED1.2@15.85,34.7 LED1.2@15.9,34.75
  Top Layer w0.5: LED1.2@15.9,34.75 v3(17.54,34.75)
  Bottom Layer w0.5: R5.2@15.79,34.75 v3(17.54,34.75)
NetLED2_1: LED2.1 U1.61 | length 43.8
  Top Layer w0.2: v1(-6.198,49.331) -6.198,49.614 U1.61@-4.957,50.854
  Top Layer w0.5: v1(-9.677,45.97) -9.847,45.8 -11.01,45.8 -11.56,45.25 -11.56,40.57 -6.14,35.15 8.39,35.15 12.16,31.38 LED2.1@14.45,31.38
  Bottom Layer w0.2: v1(-9.677,45.97) v1@-9.677,46.293 ; v1@-6.257,49.39 v1(-6.198,49.331)
  Bottom Layer w0.4: v1@-9.677,46.293 -7.58,48.39 -7.548,48.39 -7.518,48.42 -7.227,48.42 v1@-6.257,49.39
NetLED2_2: LED2.2 R6.2 | length 3.3
  Top Layer w0.5: LED2.2@15.85,31.38 v3(17.51,31.38)
  Bottom Layer w0.5: R6.2@15.85,31.38 v3(17.51,31.38)
NetLED3_1: LED3.1 U1.60 | length 46.5
  Top Layer w0.2: v1(-8.62,48.49) v1@-8.6,48.47 ; -7.907,48.47 U1.60@-5.24,51.137
  Top Layer w0.3: v1@-8.6,48.47 -7.907,48.47
  Top Layer w0.5: v1(-10.45,46.66) -11.25,46.66 -12.22,45.69 -12.22,40.2 -6.48,34.46 8,34.46 LED3.1@14.45,28.01
  Bottom Layer w0.4: v1(-10.45,46.66) v1(-8.62,48.49)
NetLED3_2: LED3.2 R7.2 | length 3.3
  Top Layer w0.5: LED3.2@15.86,28 v3(17.54,28)
  Bottom Layer w0.5: R7.2@15.88,28 v3(17.54,28)